# KiCad board panel-support-52-blue.kicad_pcb (continued)
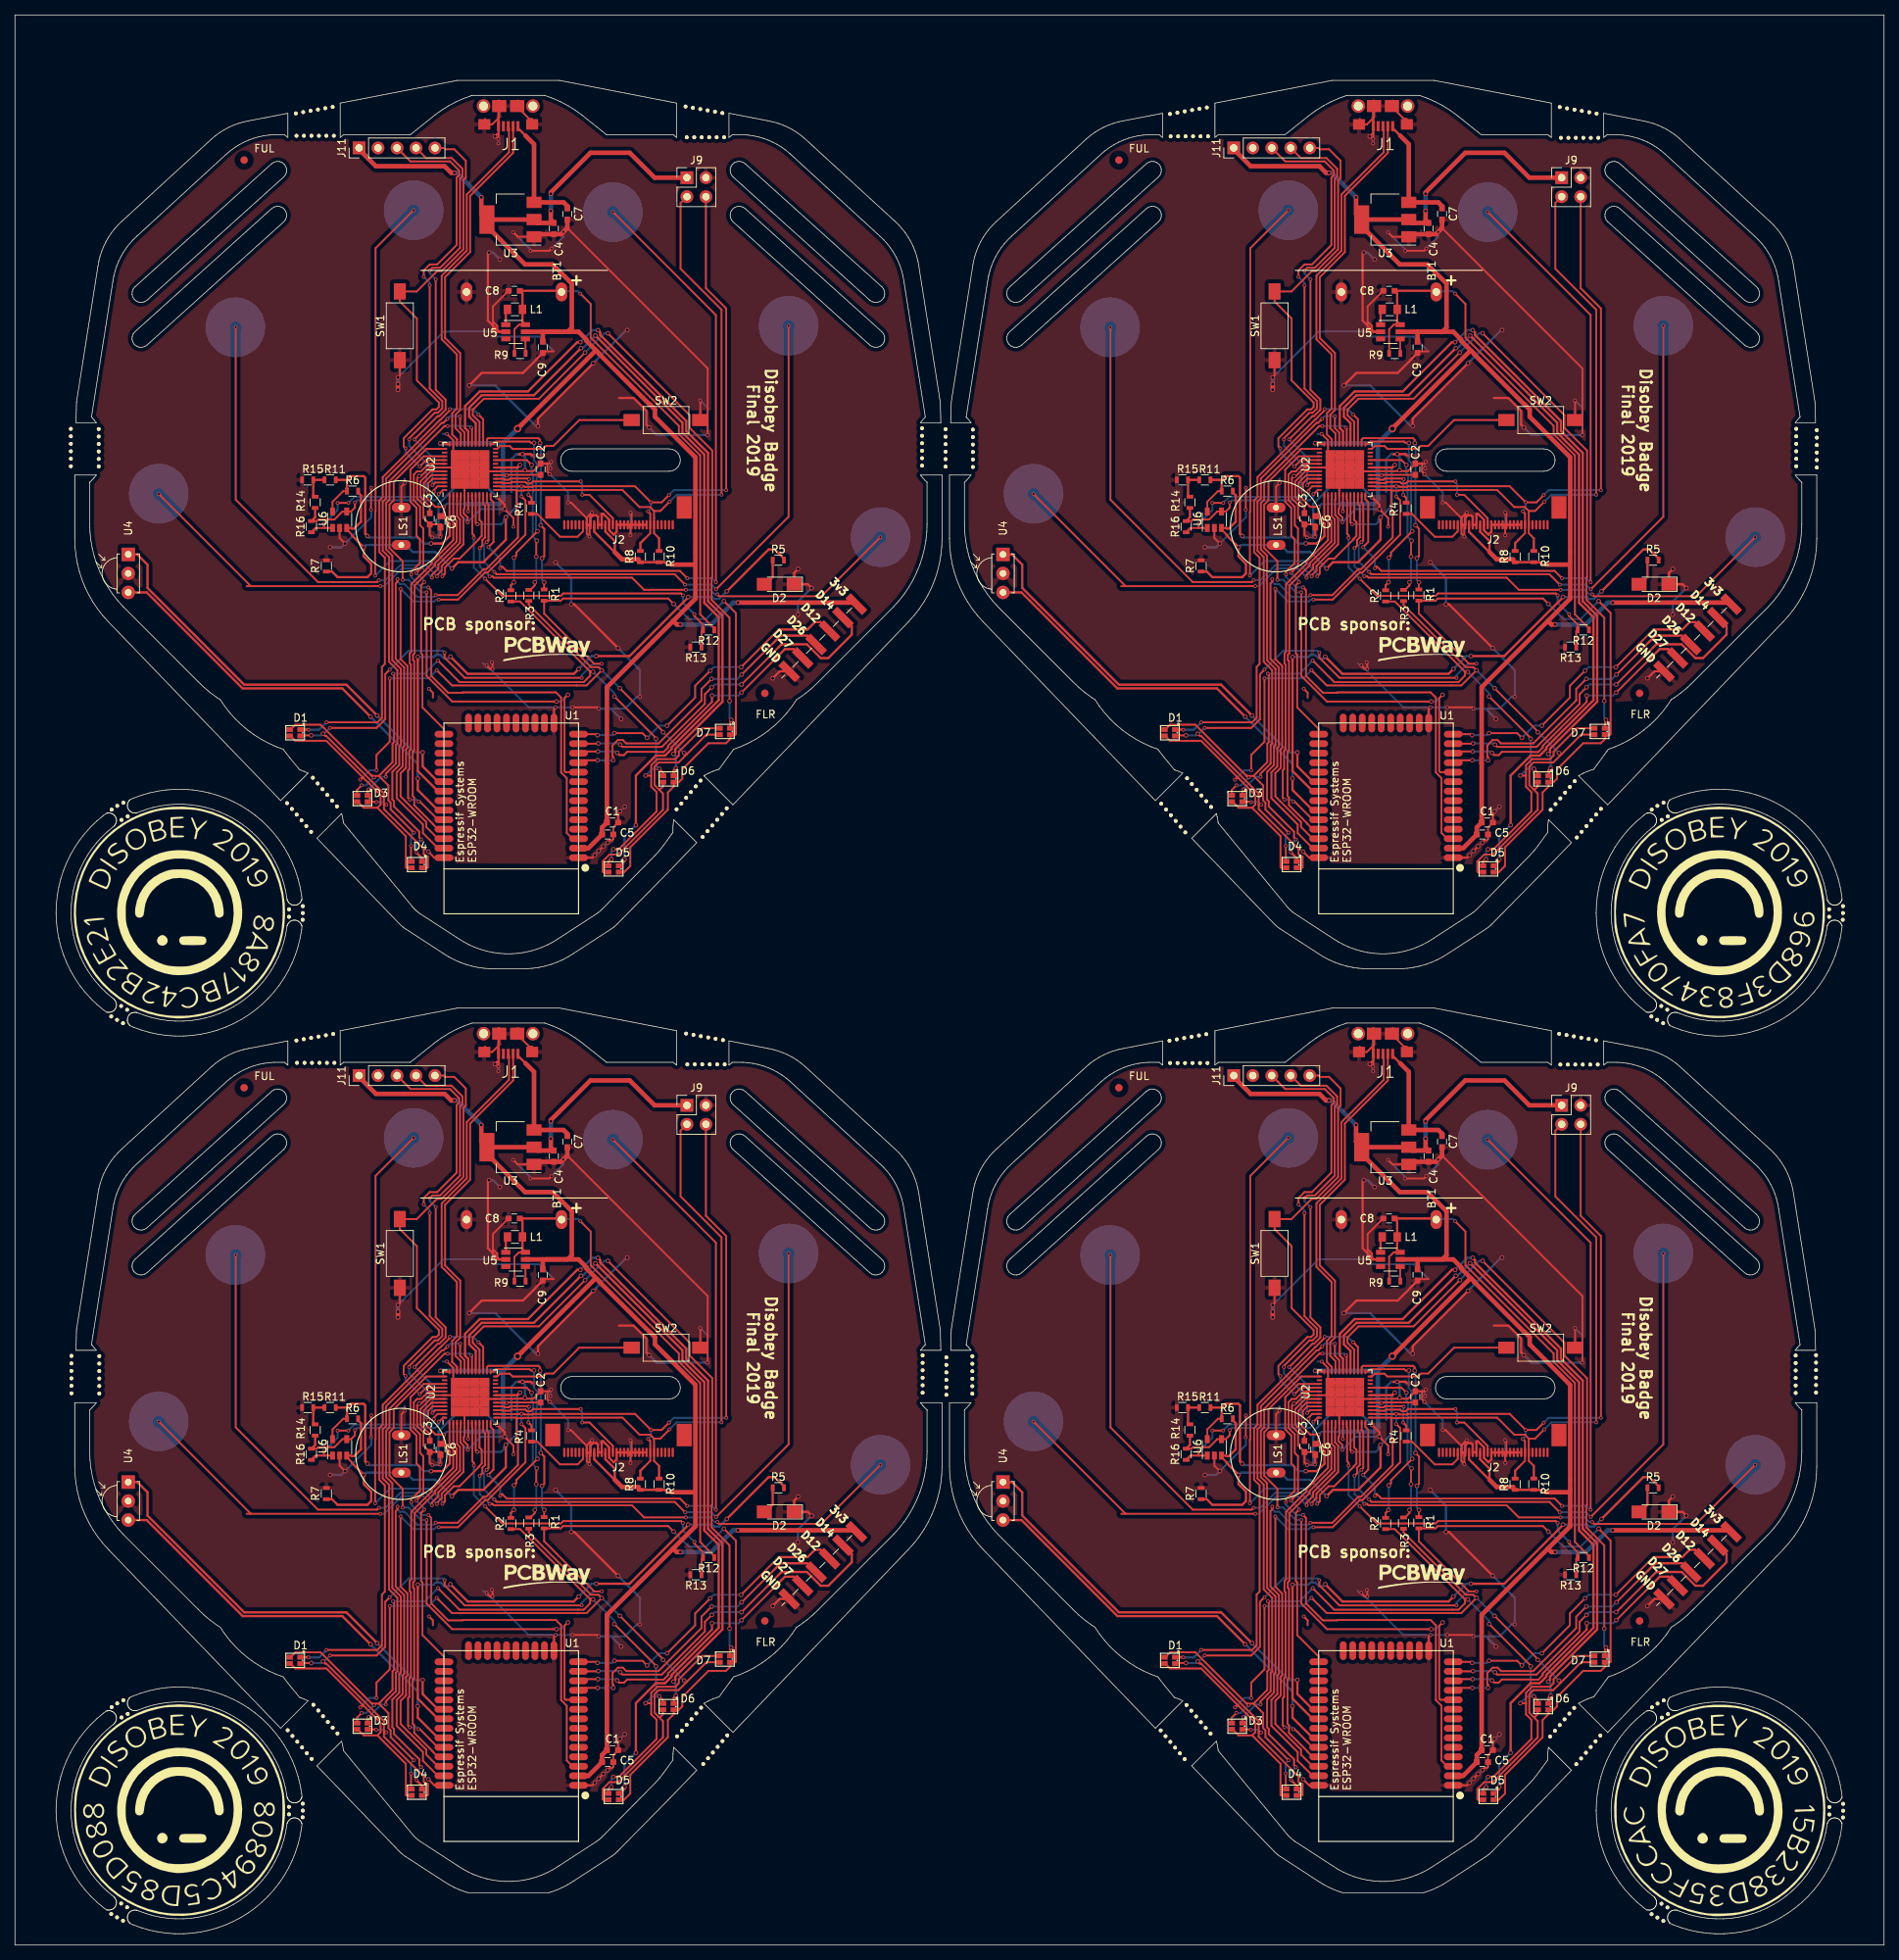
[diagram p0: board, top side]
## Routing (per net, layer and track width the routed paths; a pad name or vN(x,y) marks a point on that pad's centre or on a via; arc(x,y) is an arc through that point) (continued)
  Bottom w0.25: v1(168.85,182.49) 169.64,182.49 171.3,180.83 v1(172.06,180.83) ; v1(51.85,58.49) 52.64,58.49 54.3,56.83 v1(55.06,56.83) ; v1(168.85,58.49) 169.64,58.49 171.3,56.83 v1(172.06,56.83) ; v2(190.95,167.12) 190.05,166.22 v2(189.43,166.22) ; v2(73.95,43.12) 73.05,42.22 v2(72.43,42.22) ; v2(190.95,43.12) 190.05,42.22 v2(189.43,42.22) ; v1(51.85,182.49) 52.64,182.49 54.3,180.83 v1(55.06,180.83) ; v2(73.95,167.12) 73.05,166.22 v2(72.43,166.22)
IRLED: length 312.1
  Top w0.3: U1#2.31 173.58,154.24 170.88,156.94 v2(170.88,172.17) ; U1#3.31 56.58,30.24 53.88,32.94 v2(53.88,48.17) ; U1#4.31 173.58,30.24 170.88,32.94 v2(170.88,48.17) ; R5#2.2 219.85,185.32 218.63,186.55 217.8,186.55 v2(212.2,180.95) ; R5#3.2 102.85,61.32 101.63,62.55 100.8,62.55 v2(95.2,56.95) ; R5#4.2 219.85,61.32 218.63,62.55 217.8,62.55 v2(212.2,56.95) ; v2(207.05,180.2) 207.05,180.15 199.2,172.3 v2(194.75,172.3) ; v2(90.05,56.2) 90.05,56.15 82.2,48.3 v2(77.75,48.3) ; v2(207.05,56.2) 207.05,56.15 199.2,48.3 v2(194.75,48.3) ; v2(192.4,170.57) 191.75,169.92 177.55,169.92 v2(175.25,172.22) ; v2(75.4,46.57) 74.75,45.92 60.55,45.92 v2(58.25,48.22) ; v2(192.4,46.57) 191.75,45.92 177.55,45.92 v2(175.25,48.22) ; v2(53.88,172.17) 53.88,156.94 56.58,154.24 U1.31 ; v2(58.25,172.22) 60.55,169.92 74.75,169.92 v2(75.4,170.57) ; v2(77.75,172.3) 82.2,172.3 90.05,180.15 v2(90.05,180.2) ; R5.2 102.85,185.32 101.63,186.55 100.8,186.55 v2(95.2,180.95)
  Bottom w0.3: v2(212.2,180.95) 211.2,179.95 210.53,179.95 210.28,180.2 v2(207.05,180.2) ; v2(95.2,56.95) 94.2,55.95 93.53,55.95 93.28,56.2 v2(90.05,56.2) ; v2(212.2,56.95) 211.2,55.95 210.53,55.95 210.28,56.2 v2(207.05,56.2) ; v2(192.4,170.57) 194.13,172.3 v2(194.75,172.3) ; v2(75.4,46.57) 77.13,48.3 v2(77.75,48.3) ; v2(192.4,46.57) 194.13,48.3 v2(194.75,48.3) ; v2(175.25,172.22) 175,171.97 174.4,171.97 173.93,172.45 173.28,172.45 173,172.17 v2(170.88,172.17) ; v2(58.25,48.22) 58,47.97 57.4,47.97 56.93,48.45 56.28,48.45 56,48.17 v2(53.88,48.17) ; v2(175.25,48.22) 175,47.97 174.4,47.97 173.93,48.45 173.28,48.45 173,48.17 v2(170.88,48.17) ; v2(53.88,172.17) 56,172.17 56.28,172.45 56.93,172.45 57.4,171.97 58,171.97 v2(58.25,172.22) ; v2(75.4,170.57) 77.13,172.3 v2(77.75,172.3) ; v2(90.05,180.2) 93.28,180.2 93.53,179.95 94.2,179.95 v2(95.2,180.95)
LCDRST: length 79.4
  Top w0.25: U2#2.15 182.24,195.5 182.32,195.42 183.24,195.42 183.39,195.58 185.28,195.58 185.48,195.37 186.03,195.37 186.3,195.65 v1(192.68,195.65) ; U2#3.15 65.24,71.5 65.32,71.42 66.24,71.42 66.39,71.58 68.28,71.58 68.48,71.37 69.03,71.37 69.3,71.65 v1(75.68,71.65) ; U2#4.15 182.24,71.5 182.32,71.42 183.24,71.42 183.39,71.58 185.28,71.58 185.48,71.37 186.03,71.37 186.3,71.65 v1(192.68,71.65) ; J2#2.14 196.98,190.72 193.85,193.85 v1(192.88,193.85) ; J2#3.14 79.98,66.72 76.85,69.85 v1(75.88,69.85) ; J2#4.14 196.98,66.72 193.85,69.85 v1(192.88,69.85) ; U2.15 65.24,195.5 65.32,195.42 66.24,195.42 66.39,195.58 68.28,195.58 68.48,195.37 69.03,195.37 69.3,195.65 v1(75.68,195.65) ; J2.14 79.98,190.72 76.85,193.85 v1(75.88,193.85)
  Bottom w0.25: v1(192.68,195.65) 192.68,195.45 192.88,195.25 v1(192.88,193.85) ; v1(75.68,71.65) 75.68,71.45 75.88,71.25 v1(75.88,69.85) ; v1(192.68,71.65) 192.68,71.45 192.88,71.25 v1(192.88,69.85) ; v1(75.68,195.65) 75.68,195.45 75.88,195.25 v1(75.88,193.85)
MCURST: length 240.2
  Top w0.25: U2#2.40 172.01,198.5 v1(171.14,197.63) ; U2#3.40 55.01,74.5 v1(54.14,73.63) ; U2#4.40 172.01,74.5 v1(171.14,73.63) ; J11#2.5 174.39,240.22 174.56,240.05 174.56,240.05 175.76,240.05 177.3,238.51 177.3,236.23 176.98,235.9 176.98,226.68 174.05,223.75 173.45,223.75 170.74,221.04 SW1#2.2 168.48,219.7 170.76,217.42 170.76,209.14 173.7,206.2 173.7,205.6 173.38,205.27 172.85,205.27 168.99,201.41 168.99,200.32 v1(169.24,200.07) ; J11#3.5 57.39,116.22 57.56,116.05 57.56,116.05 58.76,116.05 60.3,114.51 60.3,112.23 59.98,111.9 59.98,102.68 57.05,99.75 56.45,99.75 53.74,97.04 SW1#3.2 51.48,95.7 53.76,93.42 53.76,85.14 56.7,82.2 56.7,81.6 56.38,81.27 55.85,81.27 51.99,77.41 51.99,76.32 v1(52.24,76.07) ; J11#4.5 174.39,116.22 174.56,116.05 174.56,116.05 175.76,116.05 177.3,114.51 177.3,112.23 176.98,111.9 176.98,102.68 174.05,99.75 173.45,99.75 170.74,97.04 SW1#4.2 168.48,95.7 170.76,93.42 170.76,85.14 173.7,82.2 173.7,81.6 173.38,81.27 172.85,81.27 168.99,77.41 168.99,76.32 v1(169.24,76.07) ; U2.40 55.01,198.5 v1(54.14,197.63) ; v1(52.24,200.07) 51.99,200.32 51.99,201.41 55.85,205.27 56.38,205.27 56.7,205.6 56.7,206.2 53.76,209.14 53.76,217.42 51.48,219.7 SW1.2 53.74,221.04 56.45,223.75 57.05,223.75 59.98,226.68 59.98,235.9 60.3,236.23 60.3,238.51 58.76,240.05 57.56,240.05 57.56,240.05 57.39,240.22 J11.5
  Bottom w0.25: v1(169.24,200.07) 169.24,199.53 v1(171.14,197.63) ; v1(52.24,76.07) 52.24,75.53 v1(54.14,73.63) ; v1(169.24,76.07) 169.24,75.53 v1(171.14,73.63) ; v1(52.24,200.07) 52.24,199.53 v1(54.14,197.63)
PHOTO: length 230.9
  Top w0.3: v2(165.45,164.35) 161.33,168.48 147.66,168.48 134.73,181.41 134.73,184.51 133.35,185.89 U4#2.1 ; v2(48.45,40.35) 44.33,44.48 30.66,44.48 17.73,57.41 17.73,60.51 16.35,61.89 U4#3.1 ; v2(165.45,40.35) 161.33,44.48 147.66,44.48 134.73,57.41 134.73,60.51 133.35,61.89 U4#4.1 ; v2(171.53,159.43) 171.53,157.56 173.58,155.51 U1#2.30 ; v2(54.53,35.42) 54.53,33.56 56.58,31.51 U1#3.30 ; v2(171.53,35.42) 171.53,33.56 173.58,31.51 U1#4.30 ; U4.1 16.35,185.89 17.73,184.51 17.73,181.41 30.66,168.48 44.33,168.48 v2(48.45,164.35) ; U1.30 56.58,155.51 54.53,157.56 v2(54.53,159.43)
  Bottom w0.3: v2(165.45,164.35) 170.38,159.43 v2(171.53,159.43) ; v2(48.45,40.35) 53.38,35.42 v2(54.53,35.42) ; v2(165.45,40.35) 170.38,35.42 v2(171.53,35.42) ; v2(48.45,164.35) 53.38,159.43 v2(54.53,159.43)
PHOTOPOW: length 225.3
  Top w0.3: v2(164.55,164.2) 160.78,167.97 147.45,167.97 134.62,180.81 132.15,180.81 ; v2(47.55,40.2) 43.78,43.97 30.45,43.97 17.62,56.81 15.15,56.81 ; v2(164.55,40.2) 160.78,43.97 147.45,43.97 134.62,56.81 132.15,56.81 ; U1#2.33 173.58,151.7 170.88,154.4 v2(170.88,155.93) ; U1#3.33 56.58,27.7 53.88,30.4 v2(53.88,31.92) ; U1#4.33 173.58,27.7 170.88,30.4 v2(170.88,31.92) ; U1.33 56.58,151.7 53.88,154.4 v2(53.88,155.93) ; v2(47.55,164.2) 43.78,167.97 30.45,167.97 17.62,180.81 15.15,180.81
  Bottom w0.3: v2(170.88,155.93) 170.88,157.88 v2(164.55,164.2) ; v2(53.88,31.92) 53.88,33.88 v2(47.55,40.2) ; v2(170.88,31.92) 170.88,33.88 v2(164.55,40.2) ; v2(47.55,164.2) 53.88,157.88 v2(53.88,155.93)
RXD: length 197.3
  Top w0.25: U2#2.1 175.13,190.72 175.63,190.22 175.63,187.8 172.73,184.9 172.73,184.63 170.01,181.91 170.01,172.86 169.8,172.66 169.8,171.31 169.95,171.16 169.95,159.86 169.75,159.66 169.75,157.18 169.58,157.01 169.58,153.36 v1(169.83,153.11) ; U2#3.1 58.13,66.72 58.63,66.22 58.63,63.8 55.73,60.9 55.73,60.63 53.01,57.91 53.01,48.86 52.8,48.66 52.8,47.31 52.95,47.16 52.95,35.86 52.75,35.66 52.75,33.18 52.58,33.01 52.58,29.36 v1(52.83,29.11) ; U2#4.1 175.13,66.72 175.63,66.22 175.63,63.8 172.73,60.9 172.73,60.63 170.01,57.91 170.01,48.86 169.8,48.66 169.8,47.31 169.95,47.16 169.95,35.86 169.75,35.66 169.75,33.18 169.58,33.01 169.58,29.36 v1(169.83,29.11) ; U1#2.34 173.58,150.43 171.15,152.86 v1(170.98,152.86) ; U1#3.34 56.58,26.43 54.15,28.86 v1(53.98,28.86) ; U1#4.34 173.58,26.43 171.15,28.86 v1(170.98,28.86) ; v1(53.98,152.86) 54.15,152.86 56.58,150.43 U1.34 ; v1(52.83,153.11) 52.58,153.36 52.58,157.01 52.75,157.18 52.75,159.66 52.95,159.86 52.95,171.16 52.8,171.31 52.8,172.66 53.01,172.86 53.01,181.91 55.73,184.63 55.73,184.9 58.63,187.8 58.63,190.22 58.13,190.72 U2.1
  Bottom w0.25: v1(169.83,153.11) 170.73,153.11 v1(170.98,152.86) ; v1(52.83,29.11) 53.73,29.11 v1(53.98,28.86) ; v1(169.83,29.11) 170.73,29.11 v1(170.98,28.86) ; v1(53.98,152.86) 53.73,153.11 v1(52.83,153.11)
SCL: length 580.1
  Top w0.25: U1#2.36 173.58,147.89 172.02,149.45 172.02,150.11 168.58,153.55 168.58,156.65 169.3,157.37 169.3,159.85 169.5,160.05 169.5,170.98 168.58,171.9 v1(168.58,181.29) ; U1#3.36 56.58,23.89 55.02,25.45 55.02,26.11 51.58,29.55 51.58,32.65 52.3,33.37 52.3,35.85 52.5,36.05 52.5,46.98 51.58,47.9 v1(51.58,57.29) ; U1#4.36 173.58,23.89 172.02,25.45 172.02,26.11 168.58,29.55 168.58,32.65 169.3,33.37 169.3,35.85 169.5,36.05 169.5,46.98 168.58,47.9 v1(168.58,57.29) ; v1(173.68,179.85) 176.25,179.85 179.88,183.47 180.22,183.47 185.28,188.53 185.28,193.11 v1(184.75,193.64) ; v1(56.68,55.85) 59.25,55.85 62.88,59.47 63.22,59.47 68.28,64.53 68.28,69.11 v1(67.75,69.64) ; v1(173.68,55.85) 176.25,55.85 179.88,59.47 180.22,59.47 185.28,64.53 185.28,69.11 v1(184.75,69.64) ; U2#2.14 181.88,195 181.9,194.97 184.38,194.97 184.4,195 v1(184.75,195) 185.11,195 185.18,194.92 186.21,194.92 186.29,195 199.93,195 v1(202.08,192.85) 203.5,192.85 v1(204.48,193.82) ; U2#3.14 64.88,71 64.9,70.97 67.38,70.97 67.4,71 v1(67.75,71) 68.11,71 68.18,70.92 69.21,70.92 69.29,71 82.93,71 v1(85.08,68.85) 86.5,68.85 v1(87.48,69.82) ; U2#4.14 181.88,71 181.9,70.97 184.38,70.97 184.4,71 v1(184.75,71) 185.11,71 185.18,70.92 186.21,70.92 186.29,71 199.93,71 v1(202.08,68.85) 203.5,68.85 v1(204.48,69.82) ; v1(212.13,194.47) 212.13,218.78 209.42,221.48 J9#2.4 ; v1(95.13,70.47) 95.13,94.77 92.42,97.48 J9#3.4 ; v1(212.13,70.47) 212.13,94.77 209.42,97.48 J9#4.4 ; 201.25,188 201.98,188.72 201.98,191.35 v1(201.68,191.65) ; 84.25,64 84.98,64.72 J2#3.24 84.98,67.35 v1(84.68,67.65) ; 201.25,64 201.98,64.72 J2#4.24 201.98,67.35 v1(201.68,67.65) ; v1(51.58,181.29) 51.58,171.9 52.5,170.98 52.5,160.05 52.3,159.85 52.3,157.37 51.58,156.65 51.58,153.55 55.02,150.11 55.02,149.45 56.58,147.89 U1.36 ; 84.25,188 84.98,188.72 84.98,191.35 v1(84.68,191.65) ; v1(95.13,194.47) 95.13,218.78 92.42,221.48 J9.4 ; v1(87.48,193.82) 86.5,192.85 v1(85.08,192.85) 82.93,195 69.29,195 69.21,194.92 68.18,194.92 68.11,195 v1(67.75,195) 67.4,195 67.38,194.97 64.9,194.97 64.88,195 U2.14 ; v1(67.75,193.64) 68.28,193.11 68.28,188.53 63.22,183.47 62.88,183.47 59.25,179.85 v1(56.68,179.85)
  Top w0.3: 201.25,188 200.65,187.4 R8#2.2 ; 84.25,64 83.65,63.4 R8#3.2 ; 201.25,64 200.65,63.4 R8#4.2 ; 84.25,188 83.65,187.4 R8.2
  Bottom w0.25: v1(184.75,195) v1(184.75,193.64) ; v1(67.75,71) v1(67.75,69.64) ; v1(184.75,71) v1(184.75,69.64) ; v1(212.13,194.47) 205.13,194.47 v1(204.48,193.82) ; v1(95.13,70.47) 88.13,70.47 v1(87.48,69.82) ; v1(212.13,70.47) 205.13,70.47 v1(204.48,69.82) ; v1(173.68,179.85) 173.33,179.85 173.08,179.6 170.27,179.6 v1(168.58,181.29) ; v1(56.68,55.85) 56.33,55.85 56.08,55.6 53.27,55.6 v1(51.58,57.29) ; v1(173.68,55.85) 173.33,55.85 173.08,55.6 170.27,55.6 v1(168.58,57.29) ; v1(202.08,192.85) 202.08,192.05 v1(201.68,191.65) ; v1(85.08,68.85) 85.08,68.05 v1(84.68,67.65) ; v1(202.08,68.85) 202.08,68.05 v1(201.68,67.65) ; v1(87.48,193.82) 88.13,194.47 v1(95.13,194.47) ; v1(67.75,195) v1(67.75,193.64) ; v1(56.68,179.85) 56.33,179.85 56.08,179.6 53.27,179.6 v1(51.58,181.29) ; v1(85.08,192.85) 85.08,192.05 v1(84.68,191.65)
SDA: length 590
  Top w0.25: v1(168.16,182.6) 168.16,182.25 167.93,182.01 167.93,171.92 169.05,170.79 169.05,160.23 168.85,160.03 168.85,157.56 168.06,156.76 168.06,153.31 171.57,149.8 171.57,148.63 173.58,146.62 U1#2.37 ; v1(51.16,58.6) 51.16,58.25 50.93,58.01 50.93,47.92 52.05,46.79 52.05,36.23 51.85,36.03 51.85,33.56 51.06,32.76 51.06,29.31 54.57,25.8 54.57,24.63 56.58,22.62 U1#3.37 ; v1(168.16,58.6) 168.16,58.25 167.93,58.01 167.93,47.92 169.05,46.79 169.05,36.23 168.85,36.03 168.85,33.56 168.06,32.76 168.06,29.31 171.57,25.8 171.57,24.63 173.58,22.62 U1#4.37 ; 184.08,194.5 184.08,191.7 184.28,191.5 184.28,188.17 180.04,183.92 179.69,183.92 176.22,180.45 v1(173.28,180.45) ; 184.08,194.5 184.15,194.42 185.05,194.42 185.1,194.47 186.4,194.47 186.43,194.5 198.26,194.5 200.53,192.23 201.95,192.23 202.48,191.7 ; 184.08,194.5 U2#2.13 ; 67.08,70.5 67.08,67.7 67.28,67.5 67.28,64.17 63.04,59.92 62.69,59.92 59.22,56.45 v1(56.28,56.45) ; 67.08,70.5 67.15,70.42 68.05,70.42 68.1,70.47 69.4,70.47 69.43,70.5 81.26,70.5 83.53,68.23 84.95,68.23 85.48,67.7 ; 67.08,70.5 U2#3.13 ; 184.08,70.5 184.08,67.7 184.28,67.5 184.28,64.17 180.04,59.92 179.69,59.92 176.22,56.45 v1(173.28,56.45) ; 184.08,70.5 184.15,70.42 185.05,70.42 185.1,70.47 186.4,70.47 186.43,70.5 198.26,70.5 200.53,68.23 201.95,68.23 202.48,67.7 ; 184.08,70.5 U2#4.13 ; v1(204.55,192.92) 203.33,191.7 202.48,191.7 ; v1(87.55,68.92) 86.33,67.7 85.48,67.7 ; v1(204.55,68.92) 203.33,67.7 202.48,67.7 ; 202.48,191.7 202.48,188.72 203.15,188.05 ; 85.48,67.7 J2#3.25 85.48,64.72 86.15,64.05 ; 202.48,67.7 J2#4.25 202.48,64.72 203.15,64.05 ; v1(211.5,193.88) 211.5,218.6 206.03,224.07 206.03,232.86 J9#2.3 ; v1(94.5,69.88) 94.5,94.6 89.03,100.07 89.03,108.86 J9#3.3 ; v1(211.5,69.88) 211.5,94.6 206.03,100.07 206.03,108.86 J9#4.3 ; 67.08,194.5 67.08,191.7 67.28,191.5 67.28,188.17 63.04,183.92 62.69,183.92 59.22,180.45 v1(56.28,180.45) ; 67.08,194.5 67.15,194.42 68.05,194.42 68.1,194.47 69.4,194.47 69.43,194.5 81.26,194.5 83.53,192.23 84.95,192.23 85.48,191.7 ; 67.08,194.5 U2.13 ; v1(87.55,192.92) 86.33,191.7 85.48,191.7 ; 85.48,191.7 85.48,188.72 86.15,188.05 ; v1(51.16,182.6) 51.16,182.25 50.93,182.01 50.93,171.92 52.05,170.79 52.05,160.23 51.85,160.03 51.85,157.56 51.06,156.76 51.06,153.31 54.57,149.8 54.57,148.63 56.58,146.62 U1.37 ; v1(94.5,193.88) 94.5,218.6 89.03,224.07 89.03,232.86 J9.3
  Top w0.3: 203.15,188.05 R10#2.2 ; 86.15,64.05 R10#3.2 ; 203.15,64.05 R10#4.2 ; 86.15,188.05 R10.2
  Bottom w0.25: v1(168.16,182.6) 168.16,182.25 168.5,181.91 169.09,181.91 170.81,180.2 173.03,180.2 v1(173.28,180.45) ; v1(51.16,58.6) 51.16,58.25 51.5,57.91 52.09,57.91 53.81,56.2 56.03,56.2 v1(56.28,56.45) ; v1(168.16,58.6) 168.16,58.25 168.5,57.91 169.09,57.91 170.81,56.2 173.03,56.2 v1(173.28,56.45) ; v1(211.5,193.88) 205.5,193.88 v1(204.55,192.92) ; v1(94.5,69.88) 88.5,69.88 v1(87.55,68.92) ; v1(211.5,69.88) 205.5,69.88 v1(204.55,68.92) ; v1(94.5,193.88) 88.5,193.88 v1(87.55,192.92) ; v1(56.28,180.45) 56.03,180.2 53.81,180.2 52.09,181.91 51.5,181.91 51.16,182.25 v1(51.16,182.6)
SPEAKER: length 260.6
  Top w0.25: U2#2.8 178.63,190.15 v1(178.85,189.92) ; U2#3.8 61.63,66.15 v1(61.85,65.92) ; U2#4.8 178.63,66.15 v1(178.85,65.92) ; 162.05,188.45 162.05,188.54 161.38,189.22 U6#2.3 161.95,189.42 162.03,189.35 162.05,189.35 ; 45.05,64.45 45.05,64.54 44.38,65.22 U6#3.3 44.95,65.42 45.03,65.35 45.05,65.35 ; 162.05,64.45 162.05,64.54 161.38,65.22 U6#4.3 161.95,65.42 162.03,65.35 162.05,65.35 ; v1(61.85,189.92) 61.63,190.15 U2.8 ; 45.05,188.45 45.05,188.54 44.38,189.22 U6.3 44.95,189.42 45.03,189.35 45.05,189.35
  Top w0.3: v2(184.55,197.85) 184.2,197.5 U2#2.19 ; v2(67.55,73.85) 67.2,73.5 U2#3.19 ; v2(184.55,73.85) 184.2,73.5 U2#4.19 ; 162.05,189.35 162.37,189.35 163.29,190.26 163.29,193.77 162.9,194.15 R6#2.2 ; 45.05,65.35 45.37,65.35 46.29,66.26 46.29,69.77 45.9,70.15 R6#3.2 ; 162.05,65.35 162.37,65.35 163.29,66.26 163.29,69.77 162.9,70.15 R6#4.2 ; R7#2.1 159.4,183.6 160.15,182.85 164.15,182.85 164.65,183.35 164.65,184.62 163.65,185.62 v2(163.65,186.85) 162.05,188.45 ; R7#3.1 42.4,59.6 43.15,58.85 47.15,58.85 47.65,59.35 47.65,60.62 46.65,61.62 v2(46.65,62.85) 45.05,64.45 ; R7#4.1 159.4,59.6 160.15,58.85 164.15,58.85 164.65,59.35 164.65,60.62 163.65,61.62 v2(163.65,62.85) 162.05,64.45 ; v2(182.65,190.85) 182.65,187.85 179.65,184.85 176.29,184.85 v2(175.44,184) ; v2(65.65,66.85) 65.65,63.85 62.65,60.85 59.29,60.85 v2(58.44,60) ; v2(182.65,66.85) 182.65,63.85 179.65,60.85 176.29,60.85 v2(175.44,60) ; R7.1 42.4,183.6 43.15,182.85 47.15,182.85 47.65,183.35 47.65,184.62 46.65,185.62 v2(46.65,186.85) 45.05,188.45 ; v2(58.44,184) 59.29,184.85 62.65,184.85 65.65,187.85 v2(65.65,190.85) ; 45.05,189.35 45.37,189.35 46.29,190.26 46.29,193.77 45.9,194.15 R6.2 ; U2.19 67.2,197.5 v2(67.55,197.85)
  Bottom w0.25: v2(182.65,190.85) 182.35,190.55 182.35,190.27 182.38,190.25 182.05,189.92 v1(178.85,189.92) ; v2(65.65,66.85) 65.35,66.55 65.35,66.27 65.38,66.25 65.05,65.92 v1(61.85,65.92) ; v2(182.65,66.85) 182.35,66.55 182.35,66.27 182.38,66.25 182.05,65.92 v1(178.85,65.92) ; v2(65.65,190.85) 65.35,190.55 65.35,190.27 65.38,190.25 65.05,189.92 v1(61.85,189.92)
  Bottom w0.3: v2(184.55,197.85) 184.15,197.45 184.15,192.35 v2(182.65,190.85) ; v2(67.55,73.85) 67.15,73.45 67.15,68.35 v2(65.65,66.85) ; v2(184.55,73.85) 184.15,73.45 184.15,68.35 v2(182.65,66.85) ; v2(175.44,184) 173.24,186.2 170.24,186.2 169.29,187.15 LS1#2.1 163.95,187.15 v2(163.65,186.85) ; v2(58.44,60) 56.24,62.2 53.24,62.2 52.29,63.15 LS1#3.1 46.95,63.15 v2(46.65,62.85) ; v2(175.44,60) 173.24,62.2 170.24,62.2 169.29,63.15 LS1#4.1 163.95,63.15 v2(163.65,62.85) ; v2(58.44,184) 56.24,186.2 53.24,186.2 52.29,187.15 LS1.1 46.95,187.15 v2(46.65,186.85) ; v2(67.55,197.85) 67.15,197.45 67.15,192.35 v2(65.65,190.85)
SPEAKER-AMP: length 91.3
  Top w0.25: U6#2.1 158.35,189.42 ; 158.35,189.42 157.23,189.42 157.15,189.35 ; 158.35,189.42 158.33,189.45 v1(158.33,189.97) ; U6#3.1 41.35,65.42 ; 41.35,65.42 40.23,65.42 40.15,65.35 ; 41.35,65.42 41.33,65.45 v1(41.33,65.97) ; U6#4.1 158.35,65.42 ; 158.35,65.42 157.23,65.42 157.15,65.35 ; 158.35,65.42 158.33,65.45 v1(158.33,65.97) ; v1(161.6,192.78) v1(160.15,192.78) ; v1(44.6,68.77) v1(43.15,68.77) ; v1(161.6,68.77) v1(160.15,68.77) ; v1(173.03,194.3) 173.03,194.5 173.53,195 174.48,195 ; v1(56.03,70.3) 56.03,70.5 56.53,71 U2#3.47 ; v1(173.03,70.3) 173.03,70.5 173.53,71 U2#4.47 ; v1(41.33,189.97) 41.33,189.45 41.35,189.42 ; 40.15,189.35 40.23,189.42 41.35,189.42 ; U6.1 41.35,189.42 ; v1(56.03,194.3) 56.03,194.5 56.53,195 57.48,195 ; v1(44.6,192.78) v1(43.15,192.78)
  Top w0.3: 157.15,189.35 R16#2.1 ; 40.15,65.35 R16#3.1 ; 157.15,65.35 R16#4.1 ; 40.15,189.35 R16.1
  Bottom w0.25: v1(160.15,192.78) 160.15,191.8 v1(158.33,189.97) ; v1(43.15,68.77) 43.15,67.8 v1(41.33,65.97) ; v1(160.15,68.77) 160.15,67.8 v1(158.33,65.97) ; v1(161.6,192.78) 162.4,193.57 172.78,193.57 173.03,193.82 v1(173.03,194.3) ; v1(44.6,68.77) 45.4,69.57 55.78,69.57 56.03,69.82 v1(56.03,70.3) ; v1(161.6,68.77) 162.4,69.57 172.78,69.57 173.03,69.82 v1(173.03,70.3) ; v1(56.03,194.3) 56.03,193.82 55.78,193.57 45.4,193.57 v1(44.6,192.78) ; v1(41.33,189.97) 43.15,191.8 v1(43.15,192.78)
TXD: length 198.5
  Top w0.25: U2#2.2 175.63,190.85 176.08,190.4 176.08,187.61 173.18,184.71 173.18,184.44 170.46,181.72 170.46,172.68 170.25,172.48 170.25,171.77 170.4,171.63 170.4,159.67 170.2,159.48 170.2,153.59 170.41,153.39 170.41,152.36 172.88,149.89 172.88,149.86 173.58,149.16 U1#2.35 ; U2#3.2 58.63,66.85 59.08,66.4 59.08,63.61 56.18,60.71 56.18,60.44 53.46,57.72 53.46,48.68 53.25,48.48 53.25,47.77 53.4,47.63 53.4,35.67 53.2,35.48 53.2,29.59 53.41,29.39 53.41,28.36 55.88,25.89 55.88,25.86 56.58,25.16 U1#3.35 ; U2#4.2 175.63,66.85 176.08,66.4 176.08,63.61 173.18,60.71 173.18,60.44 170.46,57.72 170.46,48.68 170.25,48.48 170.25,47.77 170.4,47.63 170.4,35.67 170.2,35.48 170.2,29.59 170.41,29.39 170.41,28.36 172.88,25.89 172.88,25.86 173.58,25.16 U1#4.35 ; U1.35 56.58,149.16 55.88,149.86 55.88,149.89 53.41,152.36 53.41,153.39 53.2,153.59 53.2,159.48 53.4,159.67 53.4,171.63 53.25,171.77 53.25,172.48 53.46,172.68 53.46,181.72 56.18,184.44 56.18,184.71 59.08,187.61 59.08,190.4 58.63,190.85 U2.2
Net-(C3-Pad1): length 34.2
  Top w0.25: C3#2.1 172.48,192.31 171.25,193.54 171.25,195.66 172.59,197 174.48,197 ; C3#3.1 55.48,68.31 54.25,69.54 54.25,71.66 55.59,73 U2#3.43 ; C3#4.1 172.48,68.31 171.25,69.54 171.25,71.66 172.59,73 U2#4.43 ; C3.1 55.48,192.31 54.25,193.54 54.25,195.66 55.59,197 57.48,197
Net-(C7-Pad1): length 64.5
  Top w0.3: 184.25,243.21 184.25,242.91 185.28,241.88 ; 67.25,119.21 67.25,118.91 68.28,117.88 ; 184.25,119.21 184.25,118.91 185.28,117.88 ; 68.28,241.88 67.25,242.91 67.25,243.21
  Top w0.6: C7#2.1 190.88,232.45 190.38,232.95 186.43,232.95 186.43,240.72 185.28,241.88 ; C7#3.1 73.88,108.45 73.38,108.95 U3#3.3 69.43,116.72 68.28,117.88 ; C7#4.1 190.88,108.45 190.38,108.95 U3#4.3 186.43,116.72 185.28,117.88 ; C7.1 73.88,232.45 73.38,232.95 69.43,232.95 69.43,240.72 68.28,241.88
Net-(D1-Pad1): length 262
  Top w0.25: v1(175.18,205.31) 175.18,205.17 173.94,203.92 173.91,203.92 166.19,196.21 166.19,193.56 165.74,193.11 165.74,186.19 166.48,185.45 166.48,171.25 166.08,170.85 166.08,164.05 165.47,163.44 v1(158.67,163.44) ; v1(58.18,81.31) 58.18,81.17 56.94,79.92 56.91,79.92 49.19,72.21 49.19,69.56 48.74,69.11 48.74,62.19 49.48,61.45 49.48,47.25 49.08,46.85 49.08,40.05 48.47,39.44 v1(41.67,39.44) ; v1(175.18,81.31) 175.18,81.17 173.94,79.92 173.91,79.92 166.19,72.21 166.19,69.56 165.74,69.11 165.74,62.19 166.48,61.45 166.48,47.25 166.08,46.85 166.08,40.05 165.47,39.44 v1(158.67,39.44) ; v1(179,204.57) 179.63,203.95 U2#2.27 ; v1(62,80.57) 62.63,79.95 U2#3.27 ; v1(179,80.57) 179.63,79.95 U2#4.27 ; v1(58.18,205.31) 58.18,205.17 56.94,203.92 56.91,203.92 49.19,196.21 49.19,193.56 48.74,193.11 48.74,186.19 49.48,185.45 49.48,171.25 49.08,170.85 49.08,164.05 48.47,163.44 v1(41.67,163.44) ; v1(62,204.57) 62.63,203.95 U2.27
  Top w0.3: D1#2.1 156.25,162.47 v1(156.28,162.45) ; D1#3.1 39.25,38.47 v1(39.28,38.45) ; D1#4.1 156.25,38.47 v1(156.28,38.45) ; v1(39.28,162.45) 39.25,162.47 D1.1
  Bottom w0.25: v1(179,204.57) 178.27,205.31 v1(175.18,205.31) ; v1(62,80.57) 61.27,81.31 v1(58.18,81.31) ; v1(179,80.57) 178.27,81.31 v1(175.18,81.31) ; v1(58.18,205.31) 61.27,205.31 v1(62,204.57)
  Bottom w0.3: v1(158.67,163.44) 157.68,162.45 v1(156.28,162.45) ; v1(41.67,39.44) 40.68,38.45 v1(39.28,38.45) ; v1(158.67,39.44) 157.68,38.45 v1(156.28,38.45) ; v1(41.67,163.44) 40.68,162.45 v1(39.28,162.45)
Net-(D1-Pad2): length 653.8
  Top w0.25: v1(167.13,170.49) 166.53,169.89 166.53,163.86 165.37,162.7 v1(159.13,162.7) ; v1(50.13,46.49) 49.53,45.89 49.53,39.86 48.37,38.7 v1(42.13,38.7) ; v1(167.13,46.49) 166.53,45.89 166.53,39.86 165.37,38.7 v1(159.13,38.7) ; v2(211.82,179.65) 213.43,178.05 213.43,161.88 213.35,161.8 D7#2.2 212.68,161.22 212.1,160.65 209.75,160.65 206.25,157.15 206.25,155.9 205.8,155.45 D6#2.2 205.13,154.88 204.33,154.07 204.33,151.77 199.3,146.75 199.3,144.25 198.48,143.43 D5#2.2 ; v2(94.82,55.65) 96.43,54.05 96.43,37.88 96.35,37.8 D7#3.2 95.68,37.22 95.1,36.65 92.75,36.65 89.25,33.15 89.25,31.9 88.8,31.45 D6#3.2 88.13,30.88 87.33,30.07 87.33,27.78 82.3,22.75 82.3,20.25 81.48,19.42 D5#3.2 ; v2(211.82,55.65) 213.43,54.05 213.43,37.88 213.35,37.8 D7#4.2 212.68,37.22 212.1,36.65 209.75,36.65 206.25,33.15 206.25,31.9 205.8,31.45 D6#4.2 205.13,30.88 204.33,30.07 204.33,27.78 199.3,22.75 199.3,20.25 198.48,19.42 D5#4.2 ; v1(174.46,172.76) 174.46,172.09 177.16,169.4 v1(192.8,169.4) ; v1(57.46,48.76) 57.46,48.09 60.16,45.4 v1(75.8,45.4) ; v1(174.46,48.76) 174.46,48.09 177.16,45.4 v1(192.8,45.4) ; 166.35,152.45 166.35,151.85 171.68,146.52 171.68,145.85 172,145.52 172.23,145.52 172.23,144.08 172.15,144 171.48,144 ; 166.35,152.45 166.35,153.91 158.65,161.62 158.5,161.62 v2(158.2,161.92) ; 166.35,152.45 166.65,152.45 v1(166.68,152.43) ; 49.35,28.45 49.35,27.85 54.68,22.52 54.68,21.85 55,21.52 55.23,21.52 55.23,20.08 55.15,20 D4#3.2 ; 49.35,28.45 49.35,29.91 41.65,37.62 41.5,37.62 v2(41.2,37.92) ; 49.35,28.45 49.65,28.45 v1(49.68,28.42) ; 166.35,28.45 166.35,27.85 171.68,22.52 171.68,21.85 172,21.52 172.23,21.52 172.23,20.08 172.15,20 D4#4.2 ; 166.35,28.45 166.35,29.91 158.65,37.62 158.5,37.62 v2(158.2,37.92) ; 166.35,28.45 166.65,28.45 v1(166.68,28.42) ; v1(195.48,171.28) 194.48,171.28 187.78,177.97 R1#2.1 190,179.7 190.3,180 204.38,180 v2(205.1,179.28) ; v1(78.48,47.28) 77.48,47.28 70.78,53.97 R1#3.1 73,55.7 73.3,56 87.38,56 v2(88.1,55.28) ; v1(195.48,47.28) 194.48,47.28 187.78,53.97 R1#4.1 190,55.7 190.3,56 204.38,56 v2(205.1,55.28) ; D3#2.2 165.28,152.82 v1(165.33,152.77) ; D3#3.2 48.28,28.82 v1(48.33,28.78) ; D3#4.2 165.28,28.82 v1(165.33,28.78) ; v2(156.63,161.7) 155.28,161.7 D1#2.2 ; v2(39.63,37.7) 38.28,37.7 D1#3.2 ; v2(156.63,37.7) 155.28,37.7 D1#4.2 ; v1(50.13,170.49) 49.53,169.89 49.53,163.86 48.37,162.7 v1(42.13,162.7) ; 49.35,152.45 49.65,152.45 v1(49.68,152.43) ; 49.35,152.45 49.35,151.85 54.68,146.52 54.68,145.85 55,145.52 55.23,145.52 55.23,144.08 55.15,144 54.48,144 ; 49.35,152.45 49.35,153.91 41.65,161.62 41.5,161.62 v2(41.2,161.92) ; v2(39.63,161.7) 38.28,161.7 D1.2 ; v1(78.48,171.28) 77.48,171.28 70.78,177.97 R1.1 73,179.7 73.3,180 87.38,180 v2(88.1,179.28) ; v2(94.82,179.65) 96.43,178.05 96.43,161.88 96.35,161.8 D7.2 95.68,161.22 95.1,160.65 92.75,160.65 89.25,157.15 89.25,155.9 88.8,155.45 D6.2 88.13,154.88 87.33,154.07 87.33,151.77 82.3,146.75 82.3,144.25 81.48,143.43 D5.2 ; v1(75.8,169.4) 60.16,169.4 57.46,172.09 v1(57.46,172.76) ; D3.2 48.28,152.82 v1(48.33,152.77)
  Bottom w0.25: v2(205.1,179.28) 207.13,177.25 209.42,177.25 v2(211.82,179.65) ; v2(88.1,55.28) 90.13,53.25 92.42,53.25 v2(94.82,55.65) ; v2(205.1,55.28) 207.13,53.25 209.42,53.25 v2(211.82,55.65) ; v1(167.13,170.49) 169.66,173.01 174.21,173.01 v1(174.46,172.76) ; v1(50.13,46.49) 52.66,49.01 57.21,49.01 v1(57.46,48.76) ; v1(167.13,46.49) 169.66,49.01 174.21,49.01 v1(174.46,48.76) ; v1(192.8,169.4) 192.8,169.75 194.33,171.28 v1(195.48,171.28) ; v1(75.8,45.4) 75.8,45.75 77.33,47.28 v1(78.48,47.28) ; v1(192.8,45.4) 192.8,45.75 194.33,47.28 v1(195.48,47.28) ; v1(159.13,162.7) 158.35,161.92 v2(158.2,161.92) 157.98,161.7 v2(156.63,161.7) ; v1(42.13,38.7) 41.35,37.92 v2(41.2,37.92) 40.98,37.7 v2(39.63,37.7) ; v1(159.13,38.7) 158.35,37.92 v2(158.2,37.92) 157.98,37.7 v2(156.63,37.7) ; v1(165.33,152.77) 166.33,152.77 v1(166.68,152.43) ; v1(48.33,28.78) 49.33,28.78 v1(49.68,28.42) ; v1(165.33,28.78) 166.33,28.78 v1(166.68,28.42) ; v1(48.33,152.77) 49.33,152.77 v1(49.68,152.43) ; v2(94.82,179.65) 92.42,177.25 90.13,177.25 v2(88.1,179.28) ; v2(39.63,161.7) 40.98,161.7 v2(41.2,161.92) 41.35,161.92 v1(42.13,162.7) ; v1(50.13,170.49) 52.66,173.01 57.21,173.01 v1(57.46,172.76) ; v1(75.8,169.4) 75.8,169.75 77.33,171.28 v1(78.48,171.28)
